# KiCad board PCB_Neopixel_rigid.kicad_pcb (continued)
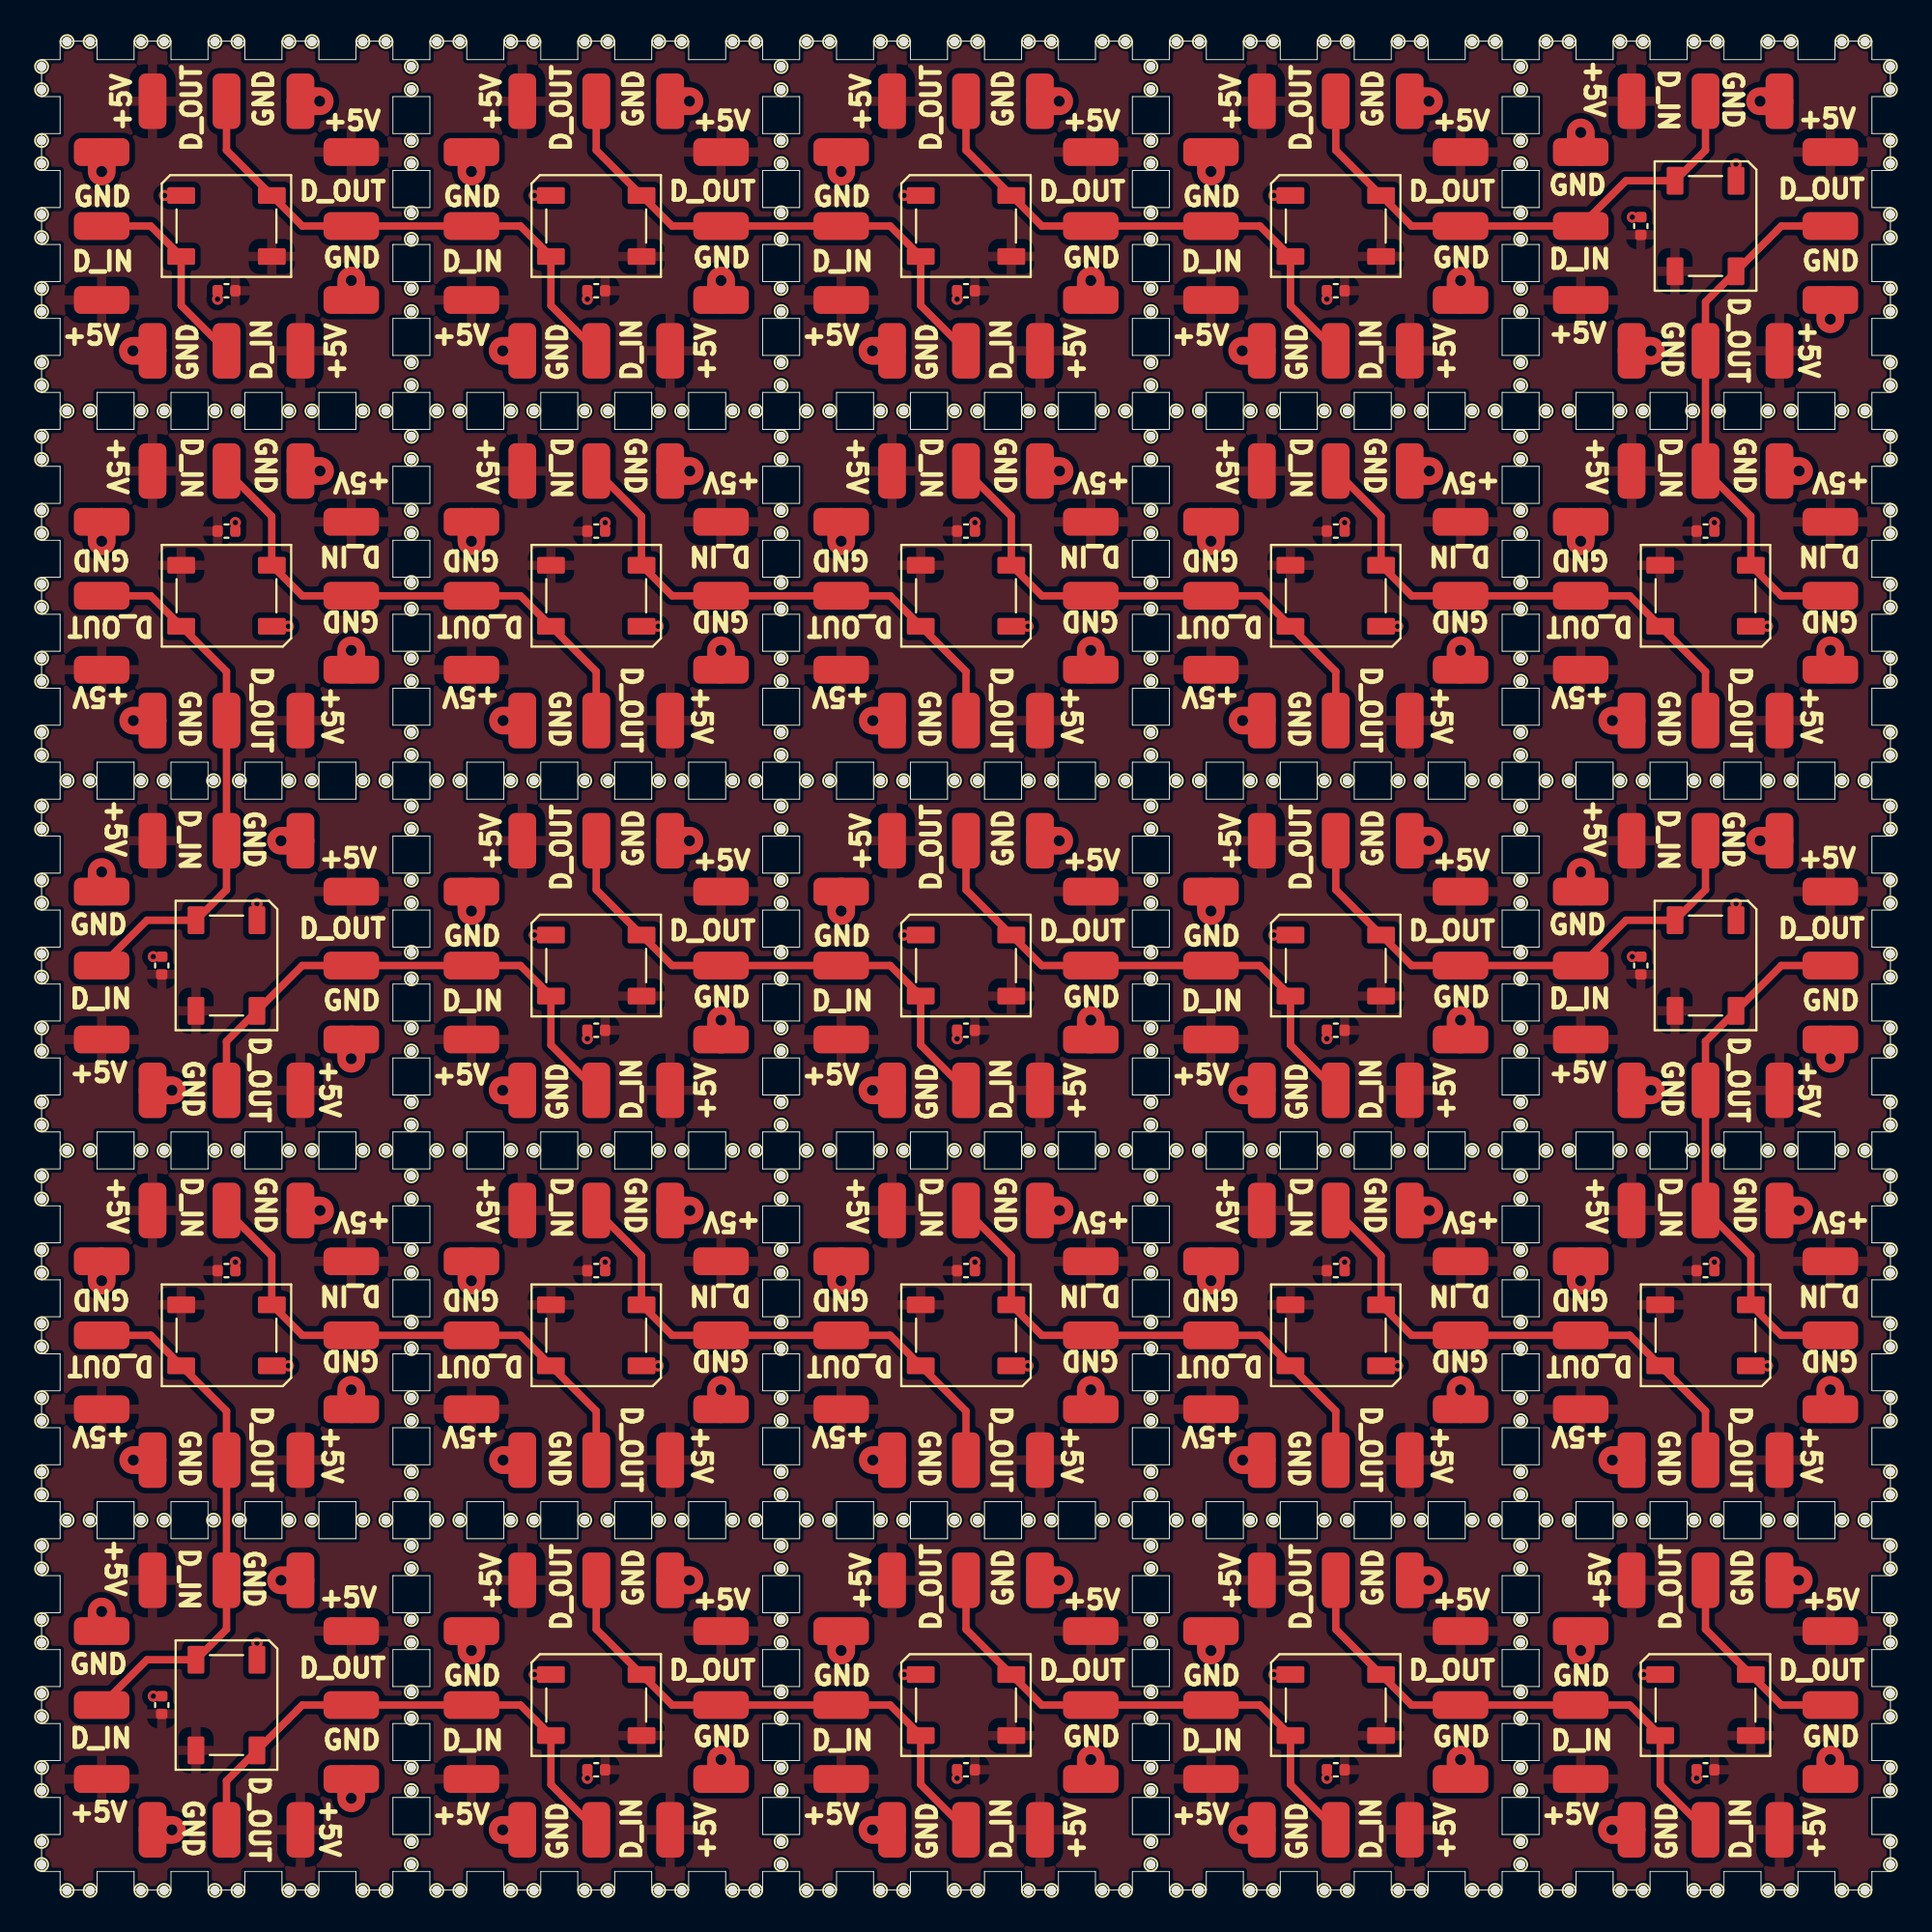
[diagram p0: board, top side]
## Footprints (pads in the part's own frame, mm; a bottom-side part is the same pattern mirrored in y, then rotated) (continued)
LED_WS2812B_PLCC4_5.0x5.0mm_P3.2mm
  rrect 1.5x0.9 smd: 1(-2.45,1.65) 2(-2.45,-1.65) 3(2.45,-1.65) 4(2.45,1.65)
NPTH_0.5
  round 0.5 hole 0.5 unplated: (0,0)
SolderWirePad_1x01_SMD_1.5x3mm
  rrect 1.5x3 smd: 1(0,0)

## Nets
+5V: C201.1 C301.1 C401.1 C501.1 C601.1 C701.1 C801.1 C901.1 C1001.1 C1101.1 C1201.1 C1301.1 C1401.1 C1501.1 C1601.1 C1701.1 C1801.1 C1901.1 C2001.1 C2101.1 C2201.1 C2301.1 C2401.1 C2501.1 C2601.1 D201.1 D301.1 D401.1 D501.1 D601.1 D701.1 D801.1 D901.1 D1001.1 D1101.1 D1201.1 D1301.1 D1401.1 D1501.1 D1601.1 D1701.1 D1801.1 D1901.1 D2001.1 D2101.1 D2201.1 D2301.1 D2401.1 D2501.1 D2601.1 J201.1 J203.1 J205.1 J207.1 J301.1 J303.1 J305.1 J307.1 J401.1 J403.1 J405.1 J407.1 J501.1 J503.1 J505.1 J507.1 J601.1 J603.1 J605.1 J607.1 J701.1 J703.1 J705.1 J707.1 J801.1 J803.1 J805.1 J807.1 J901.1 J903.1 J905.1 J907.1 J1001.1 J1003.1 J1005.1 J1007.1 J1101.1 J1103.1 J1105.1 J1107.1 J1201.1 J1203.1 J1205.1 J1207.1 J1301.1 J1303.1 J1305.1 J1307.1 J1401.1 J1403.1 J1405.1 J1407.1 J1501.1 J1503.1 J1505.1 J1507.1 J1601.1 J1603.1 J1605.1 J1607.1 J1701.1 J1703.1 J1705.1 J1707.1 J1801.1 J1803.1 J1805.1 J1807.1 J1901.1 J1903.1 J1905.1 J1907.1 J2001.1 J2003.1 J2005.1 J2007.1 J2101.1 J2103.1 J2105.1 J2107.1 J2201.1 J2203.1 J2205.1 J2207.1 J2301.1 J2303.1 J2305.1 J2307.1 J2401.1 J2403.1 J2405.1 J2407.1 J2501.1 J2503.1 J2505.1 J2507.1 J2601.1 J2603.1 J2605.1 J2607.1
GND: C201.2 C301.2 C401.2 C501.2 C601.2 C701.2 C801.2 C901.2 C1001.2 C1101.2 C1201.2 C1301.2 C1401.2 C1501.2 C1601.2 C1701.2 C1801.2 C1901.2 C2001.2 C2101.2 C2201.2 C2301.2 C2401.2 C2501.2 C2601.2 D201.3 D301.3 D401.3 D501.3 D601.3 D701.3 D801.3 D901.3 D1001.3 D1101.3 D1201.3 D1301.3 D1401.3 D1501.3 D1601.3 D1701.3 D1801.3 D1901.3 D2001.3 D2101.3 D2201.3 D2301.3 D2401.3 D2501.3 D2601.3 J202.1 J204.1 J206.1 J208.1 J302.1 J304.1 J306.1 J308.1 J402.1 J404.1 J406.1 J408.1 J502.1 J504.1 J506.1 J508.1 J602.1 J604.1 J606.1 J608.1 J702.1 J704.1 J706.1 J708.1 J802.1 J804.1 J806.1 J808.1 J902.1 J904.1 J906.1 J908.1 J1002.1 J1004.1 J1006.1 J1008.1 J1102.1 J1104.1 J1106.1 J1108.1 J1202.1 J1204.1 J1206.1 J1208.1 J1302.1 J1304.1 J1306.1 J1308.1 J1402.1 J1404.1 J1406.1 J1408.1 J1502.1 J1504.1 J1506.1 J1508.1 J1602.1 J1604.1 J1606.1 J1608.1 J1702.1 J1704.1 J1706.1 J1708.1 J1802.1 J1804.1 J1806.1 J1808.1 J1902.1 J1904.1 J1906.1 J1908.1 J2002.1 J2004.1 J2006.1 J2008.1 J2102.1 J2104.1 J2106.1 J2108.1 J2202.1 J2204.1 J2206.1 J2208.1 J2302.1 J2304.1 J2306.1 J2308.1 J2402.1 J2404.1 J2406.1 J2408.1 J2502.1 J2504.1 J2506.1 J2508.1 J2602.1 J2604.1 J2606.1 J2608.1
/Segment/DI: D201.4 J209.1 J210.1
DO1: D201.2 D301.4 J211.1 J212.1 J309.1 J310.1
DO2: D301.2 D401.4 J311.1 J312.1 J409.1 J410.1
DO3: D401.2 D501.4 J411.1 J412.1 J509.1 J510.1
DO4: D501.2 D601.4 J511.1 J512.1 J609.1 J610.1
DO5: D601.2 D701.4 J611.1 J612.1 J709.1 J710.1
DO6: D701.2 D801.4 J711.1 J712.1 J809.1 J810.1
DO7: D801.2 D901.4 J811.1 J812.1 J909.1 J910.1
DO8: D901.2 D1001.4 J911.1 J912.1 J1009.1 J1010.1
DO9: D1001.2 D1101.4 J1011.1 J1012.1 J1109.1 J1110.1
DO10: D1101.2 D1201.4 J1111.1 J1112.1 J1209.1 J1210.1
DO11: D1201.2 D1301.4 J1211.1 J1212.1 J1309.1 J1310.1
DO12: D1301.2 D1401.4 J1311.1 J1312.1 J1409.1 J1410.1
DO13: D1401.2 D1501.4 J1411.1 J1412.1 J1509.1 J1510.1
DO14: D1501.2 D1601.4 J1511.1 J1512.1 J1609.1 J1610.1
DO15: D1601.2 D1701.4 J1611.1 J1612.1 J1709.1 J1710.1
DO16: D1701.2 D1801.4 J1711.1 J1712.1 J1809.1 J1810.1
DO17: D1801.2 D1901.4 J1811.1 J1812.1 J1909.1 J1910.1
DO18: D1901.2 D2001.4 J1911.1 J1912.1 J2009.1 J2010.1
DO19: D2001.2 D2101.4 J2011.1 J2012.1 J2109.1 J2110.1
DO20: D2101.2 D2201.4 J2111.1 J2112.1 J2209.1 J2210.1
DO21: D2201.2 D2301.4 J2211.1 J2212.1 J2309.1 J2310.1
DO22: D2301.2 D2401.4 J2311.1 J2312.1 J2409.1 J2410.1
DO23: D2401.2 D2501.4 J2411.1 J2412.1 J2509.1 J2510.1
DO24: D2501.2 D2601.4 J2511.1 J2512.1 J2609.1 J2610.1
DO25: D2601.2 J2611.1 J2612.1

## Via types
v1: diameter 0.6, hole 0.3, Top to Bottom, 50 vias
v2: diameter 0.9, hole 0.6, Top to Bottom, 100 vias

## Routing (per net, layer and track width the routed paths; a pad name or vN(x,y) marks a point on that pad's centre or on a via; arc(x,y) is an arc through that point)
GND: length 139
  Top w0.2: C2101.2 v1(10.48,33.96) ; C1801.2 v1(70.48,33.96) ; C701.2 v1(90.48,73.96) ; C1501.2 v1(69.52,46.04) ; C401.2 v1(49.52,86.04) ; C1401.2 v1(49.52,46.04) ; C801.2 v1(70.48,73.96) ; C601.2 v1(86.04,90.48) ; C901.2 v1(50.48,73.96) ; C2201.2 v1(6.04,10.48) ; C1901.2 v1(50.48,33.96) ; C1301.2 v1(29.52,46.04) ; C2301.2 v1(29.52,6.04) ; C1001.2 v1(30.48,73.96) ; C201.2 v1(9.52,86.04) ; C301.2 v1(29.52,86.04) ; C2601.2 v1(89.52,6.04) ; C1701.2 v1(90.48,33.96) ; C1101.2 v1(10.48,73.96) ; C501.2 v1(69.52,86.04) ; C2401.2 v1(49.52,6.04) ; C2001.2 v1(30.48,33.96) ; C1201.2 v1(6.04,50.48) ; C2501.2 v1(69.52,6.04) ; C1601.2 v1(86.04,50.48)
  Top w0.5: D601.3 v1(91.65,93.35) ; D1701.3 v1(93.35,28.35) ; D501.3 v1(66.65,91.65) ; D901.3 v1(53.35,68.35) ; D701.3 v1(93.35,68.35) ; D1201.3 v1(11.65,53.35) ; D1301.3 v1(26.65,51.65) ; D1601.3 v1(91.65,53.35) ; D301.3 v1(26.65,91.65) ; D1001.3 v1(33.35,68.35) ; D2601.3 v1(86.65,11.65) ; D2501.3 v1(66.65,11.65) ; D2001.3 v1(33.35,28.35) ; D2301.3 v1(26.65,11.65) ; D1901.3 v1(53.35,28.35) ; D1101.3 v1(13.35,68.35) ; D1501.3 v1(66.65,51.65) ; D401.3 v1(46.65,91.65) ; D2101.3 v1(13.35,28.35) ; D1801.3 v1(73.35,28.35) ; D2201.3 v1(11.65,13.35) ; D201.3 v1(6.65,91.65) ; D2401.3 v1(46.65,11.65) ; D801.3 v1(73.35,68.35) ; D1401.3 v1(46.65,51.65)
  Top w1.5: J206.1 v2(16.75,87.05) ; J704.1 v2(95.06,76.75) ; J2508.1 v2(75.04,16.75) ; J1408.1 v2(55.04,56.75) ; J1402.1 v2(43.25,52.95) ; J2106.1 v2(3.25,32.95) ; J2102.1 v2(16.75,27.05) ; J1906.1 v2(43.25,32.95) ; J604.1 v2(83.25,95.06) ; J808.1 v2(64.96,63.25) ; J1102.1 v2(16.75,67.05) ; J408.1 v2(55.04,96.75) ; J2006.1 v2(23.25,32.95) ; J504.1 v2(64.94,83.25) ; J2206.1 v2(7.05,3.25) ; J1608.1 v2(96.75,44.96) ; J502.1 v2(63.25,92.95) ; J2604.1 v2(84.94,3.25) ; J702.1 v2(96.75,67.05) ; J204.1 v2(4.94,83.25) ; J304.1 v2(24.94,83.25) ; J1204.1 v2(3.25,55.06) ; J1002.1 v2(36.75,67.05) ; J1506.1 v2(76.75,47.05) ; J1106.1 v2(3.25,72.95) ; J1308.1 v2(35.04,56.75) ; J202.1 v2(3.25,92.95) ; J308.1 v2(35.04,96.75) ; J2502.1 v2(63.25,12.95) ; J1108.1 v2(4.96,63.25) ; J908.1 v2(44.96,63.25) ; J1804.1 v2(75.06,36.75) ; J802.1 v2(76.75,67.05) ; J2606.1 v2(96.75,7.05) ; J1208.1 v2(16.75,44.96) ; J708.1 v2(84.96,63.25) ; J1802.1 v2(76.75,27.05) ; J2104.1 v2(15.06,36.75) ; J2506.1 v2(76.75,7.05) ; J2408.1 v2(55.04,16.75) ; J508.1 v2(75.04,96.75) ; J1206.1 v2(7.05,43.25) ; J506.1 v2(76.75,87.05) ; J2004.1 v2(35.06,36.75) ; J804.1 v2(75.06,76.75) ; J1004.1 v2(35.06,76.75) ; J406.1 v2(56.75,87.05) ; J1306.1 v2(36.75,47.05) ; J1606.1 v2(87.05,43.25) ; J1704.1 v2(95.06,36.75) ; J608.1 v2(96.75,84.96) ; J1604.1 v2(83.25,55.06) ; J806.1 v2(63.25,72.95) ; J402.1 v2(43.25,92.95) ; J1304.1 v2(24.94,43.25) ; J1702.1 v2(96.75,27.05) ; J602.1 v2(92.95,96.75) ; J2002.1 v2(36.75,27.05) ; J2008.1 v2(24.96,23.25) ; J2302.1 v2(23.25,12.95) ; J2504.1 v2(64.94,3.25) ; J1902.1 v2(56.75,27.05) ; J1504.1 v2(64.94,43.25) ; J904.1 v2(55.06,76.75) ; J1904.1 v2(55.06,36.75) ; J2108.1 v2(4.96,23.25) ; J1808.1 v2(64.96,23.25) ; J902.1 v2(56.75,67.05) ; J2402.1 v2(43.25,12.95) ; J1302.1 v2(23.25,52.95) ; J1708.1 v2(84.96,23.25) ; J2308.1 v2(35.04,16.75) ; J2406.1 v2(56.75,7.05) ; J306.1 v2(36.75,87.05) ; J404.1 v2(44.94,83.25) ; J1706.1 v2(83.25,32.95) ; J1104.1 v2(15.06,76.75) ; J1006.1 v2(23.25,72.95) ; J1908.1 v2(44.96,23.25) ; J2304.1 v2(24.94,3.25) ; J1502.1 v2(63.25,52.95) ; J1008.1 v2(24.96,63.25) ; J2602.1 v2(83.25,12.95) ; J2306.1 v2(36.75,7.05) ; J1202.1 v2(12.95,56.75) ; J2202.1 v2(12.95,16.75) ; J606.1 v2(87.05,83.25) ; J2208.1 v2(16.75,4.96) ; J2204.1 v2(3.25,15.06) ; J208.1 v2(15.04,96.75) ; J906.1 v2(43.25,72.95) ; J1806.1 v2(63.25,32.95) ; J1508.1 v2(75.04,56.75) ; J706.1 v2(83.25,72.95) ; J1404.1 v2(44.94,43.25) ; J1602.1 v2(92.95,56.75) ; J302.1 v2(23.25,92.95) ; J2404.1 v2(44.94,3.25) ; J1406.1 v2(56.75,47.05) ; J2608.1 v2(95.04,16.75)
/Segment/DI: length 11.1
  Top w0.4: J210.1 5.9,90 D201.4 7.55,85.7 J209.1
DO1: length 28.7
  Top w0.4: J309.1 27.55,85.7 D301.4 25.9,90 J310.1 J211.1 14.1,90 D201.2 10,94.1 J212.1
DO2: length 28.7
  Top w0.4: J312.1 30,94.1 D301.2 34.1,90 J311.1 J410.1 45.9,90 D401.4 47.55,85.7 J409.1
DO3: length 28.7
  Top w0.4: J509.1 67.55,85.7 D501.4 65.9,90 J510.1 J411.1 54.1,90 D401.2 50,94.1 J412.1
DO4: length 28.7
  Top w0.4: J610.1 90,94.1 D601.4 85.7,92.45 J609.1 J511.1 74.1,90 D501.2 70,94.1 J512.1
DO5: length 28.7
  Top w0.4: J612.1 94.1,90 D601.2 90,85.9 J611.1 J709.1 92.45,74.3 D701.4 94.1,70 J710.1
DO6: length 28.7
  Top w0.4: J809.1 72.45,74.3 D801.4 74.1,70 J810.1 J711.1 85.9,70 D701.2 90,65.9 J712.1
DO7: length 28.7
  Top w0.4: J909.1 52.45,74.3 D901.4 54.1,70 J910.1 J811.1 65.9,70 D801.2 70,65.9 J812.1
DO8: length 28.7
  Top w0.4: J1009.1 32.45,74.3 D1001.4 34.1,70 J1010.1 J911.1 45.9,70 D901.2 50,65.9 J912.1
DO9: length 28.7
  Top w0.4: J1012.1 30,65.9 D1001.2 25.9,70 J1011.1 J1110.1 14.1,70 D1101.4 12.45,74.3 J1109.1
DO10: length 28.7
  Top w0.4: J1111.1 5.9,70 D1101.2 10,65.9 J1112.1 J1210.1 10,54.1 D1201.4 5.7,52.45 J1209.1
DO11: length 28.7
  Top w0.4: J1309.1 27.55,45.7 D1301.4 25.9,50 J1310.1 J1212.1 14.1,50 D1201.2 10,45.9 J1211.1
DO12: length 28.7
  Top w0.4: J1409.1 47.55,45.7 D1401.4 45.9,50 J1410.1 J1311.1 34.1,50 D1301.2 30,54.1 J1312.1
DO13: length 28.7
  Top w0.4: J1412.1 50,54.1 D1401.2 54.1,50 J1411.1 J1510.1 65.9,50 D1501.4 67.55,45.7 J1509.1
DO14: length 28.7
  Top w0.4: J1610.1 90,54.1 D1601.4 85.7,52.45 J1609.1 J1511.1 74.1,50 D1501.2 70,54.1 J1512.1
DO15: length 28.7
  Top w0.4: J1612.1 94.1,50 D1601.2 90,45.9 J1611.1 J1709.1 92.45,34.3 D1701.4 94.1,30 J1710.1
DO16: length 28.7
  Top w0.4: J1712.1 90,25.9 D1701.2 85.9,30 J1711.1 J1810.1 74.1,30 D1801.4 72.45,34.3 J1809.1
DO17: length 28.7
  Top w0.4: J1909.1 52.45,34.3 D1901.4 54.1,30 J1910.1 J1811.1 65.9,30 D1801.2 70,25.9 J1812.1
DO18: length 28.7
  Top w0.4: J1912.1 50,25.9 D1901.2 45.9,30 J1911.1 J2010.1 34.1,30 D2001.4 32.45,34.3 J2009.1
DO19: length 28.7
  Top w0.4: J2109.1 12.45,34.3 D2101.4 14.1,30 J2110.1 J2011.1 25.9,30 D2001.2 30,25.9 J2012.1
DO20: length 28.7
  Top w0.4: J2111.1 5.9,30 D2101.2 10,25.9 J2112.1 J2210.1 10,14.1 D2201.4 5.7,12.45 J2209.1
DO21: length 28.7
  Top w0.4: J2211.1 10,5.9 D2201.2 14.1,10 J2212.1 J2310.1 25.9,10 D2301.4 27.55,5.7 J2309.1
DO22: length 28.7
  Top w0.4: J2409.1 47.55,5.7 D2401.4 45.9,10 J2410.1 J2311.1 34.1,10 D2301.2 30,14.1 J2312.1
DO23: length 28.7
  Top w0.4: J2412.1 50,14.1 D2401.2 54.1,10 J2411.1 J2510.1 65.9,10 D2501.4 67.55,5.7 J2509.1
DO24: length 28.7
  Top w0.4: J2609.1 87.55,5.7 D2601.4 85.9,10 J2610.1 J2511.1 74.1,10 D2501.2 70,14.1 J2512.1
DO25: length 11.1
  Top w0.4: J2611.1 94.1,10 D2601.2 90,14.1 J2612.1

## Copper pours and planes (outline as drawn; the poured copper is in the pictures)
+5V on Top: 20,79 19,79 19,80 17,80 17,79 15,79 15,80 13,80 13,79 11,79 11,80 9,80 9,79 7,79 7,80 5,80 5,79 3,79 3,80 1,80 1,79 0,79 0,77 1,77 1,75 0,75 0,73 1,73 1,71 0,71 0,69 1,69 1,67 0,67 0,65 1,65 1,63 0,63 0,61 1,61 1,60 3,60 3,61 5,61 5,60 7,60 7,61 9,61 9,60 11,60 11,61 13,61 13,60 15,60 15,61 17,61 17,60 19,60 19,61 20,61 20,63 19,63 19,65 20,65 20,67 19,67 19,69 20,69 20,71 19,71 19,73 20,73 20,75 19,75 19,77 20,77
+5V on Top: 80,79 79,79 79,80 77,80 77,79 75,79 75,80 73,80 73,79 71,79 71,80 69,80 69,79 67,79 67,80 65,80 65,79 63,79 63,80 61,80 61,79 60,79 60,77 61,77 61,75 60,75 60,73 61,73 61,71 60,71 60,69 61,69 61,67 60,67 60,65 61,65 61,63 60,63 60,61 61,61 61,60 63,60 63,61 65,61 65,60 67,60 67,61 69,61 69,60 71,60 71,61 73,61 73,60 75,60 75,61 77,61 77,60 79,60 79,61 80,61 80,63 79,63 79,65 80,65 80,67 79,67 79,69 80,69 80,71 79,71 79,73 80,73 80,75 79,75 79,77 80,77
+5V on Top: 60,39 59,39 59,40 57,40 57,39 55,39 55,40 53,40 53,39 51,39 51,40 49,40 49,39 47,39 47,40 45,40 45,39 43,39 43,40 41,40 41,39 40,39 40,37 41,37 41,35 40,35 40,33 41,33 41,31 40,31 40,29 41,29 41,27 40,27 40,25 41,25 41,23 40,23 40,21 41,21 41,20 43,20 43,21 45,21 45,20 47,20 47,21 49,21 49,20 51,20 51,21 53,21 53,20 55,20 55,21 57,21 57,20 59,20 59,21 60,21 60,23 59,23 59,25 60,25 60,27 59,27 59,29 60,29 60,31 59,31 59,33 60,33 60,35 59,35 59,37 60,37
+5V on Top: 40,79 39,79 39,80 37,80 37,79 35,79 35,80 33,80 33,79 31,79 31,80 29,80 29,79 27,79 27,80 25,80 25,79 23,79 23,80 21,80 21,79 20,79 20,77 21,77 21,75 20,75 20,73 21,73 21,71 20,71 20,69 21,69 21,67 20,67 20,65 21,65 21,63 20,63 20,61 21,61 21,60 23,60 23,61 25,61 25,60 27,60 27,61 29,61 29,60 31,60 31,61 33,61 33,60 35,60 35,61 37,61 37,60 39,60 39,61 40,61 40,63 39,63 39,65 40,65 40,67 39,67 39,69 40,69 40,71 39,71 39,73 40,73 40,75 39,75 39,77 40,77
+5V on Top: 80,99 79,99 79,100 77,100 77,99 75,99 75,100 73,100 73,99 71,99 71,100 69,100 69,99 67,99 67,100 65,100 65,99 63,99 63,100 61,100 61,99 60,99 60,97 61,97 61,95 60,95 60,93 61,93 61,91 60,91 60,89 61,89 61,87 60,87 60,85 61,85 61,83 60,83 60,81 61,81 61,80 63,80 63,81 65,81 65,80 67,80 67,81 69,81 69,80 71,80 71,81 73,81 73,80 75,80 75,81 77,81 77,80 79,80 79,81 80,81 80,83 79,83 79,85 80,85 80,87 79,87 79,89 80,89 80,91 79,91 79,93 80,93 80,95 79,95 79,97 80,97
+5V on Top: 40,59 39,59 39,60 37,60 37,59 35,59 35,60 33,60 33,59 31,59 31,60 29,60 29,59 27,59 27,60 25,60 25,59 23,59 23,60 21,60 21,59 20,59 20,57 21,57 21,55 20,55 20,53 21,53 21,51 20,51 20,49 21,49 21,47 20,47 20,45 21,45 21,43 20,43 20,41 21,41 21,40 23,40 23,41 25,41 25,40 27,40 27,41 29,41 29,40 31,40 31,41 33,41 33,40 35,40 35,41 37,41 37,40 39,40 39,41 40,41 40,43 39,43 39,45 40,45 40,47 39,47 39,49 40,49 40,51 39,51 39,53 40,53 40,55 39,55 39,57 40,57
+5V on Top: 80,39 79,39 79,40 77,40 77,39 75,39 75,40 73,40 73,39 71,39 71,40 69,40 69,39 67,39 67,40 65,40 65,39 63,39 63,40 61,40 61,39 60,39 60,37 61,37 61,35 60,35 60,33 61,33 61,31 60,31 60,29 61,29 61,27 60,27 60,25 61,25 61,23 60,23 60,21 61,21 61,20 63,20 63,21 65,21 65,20 67,20 67,21 69,21 69,20 71,20 71,21 73,21 73,20 75,20 75,21 77,21 77,20 79,20 79,21 80,21 80,23 79,23 79,25 80,25 80,27 79,27 79,29 80,29 80,31 79,31 79,33 80,33 80,35 79,35 79,37 80,37
+5V on Top: 20,19 19,19 19,20 17,20 17,19 15,19 15,20 13,20 13,19 11,19 11,20 9,20 9,19 7,19 7,20 5,20 5,19 3,19 3,20 1,20 1,19 0,19 0,17 1,17 1,15 0,15 0,13 1,13 1,11 0,11 0,9 1,9 1,7 0,7 0,5 1,5 1,3 0,3 0,1 1,1 1,0 3,0 3,1 5,1 5,0 7,0 7,1 9,1 9,0 11,0 11,1 13,1 13,0 15,0 15,1 17,1 17,0 19,0 19,1 20,1 20,3 19,3 19,5 20,5 20,7 19,7 19,9 20,9 20,11 19,11 19,13 20,13 20,15 19,15 19,17 20,17
+5V on Top: 20,99 19,99 19,100 17,100 17,99 15,99 15,100 13,100 13,99 11,99 11,100 9,100 9,99 7,99 7,100 5,100 5,99 3,99 3,100 1,100 1,99 0,99 0,97 1,97 1,95 0,95 0,93 1,93 1,91 0,91 0,89 1,89 1,87 0,87 0,85 1,85 1,83 0,83 0,81 1,81 1,80 3,80 3,81 5,81 5,80 7,80 7,81 9,81 9,80 11,80 11,81 13,81 13,80 15,80 15,81 17,81 17,80 19,80 19,81 20,81 20,83 19,83 19,85 20,85 20,87 19,87 19,89 20,89 20,91 19,91 19,93 20,93 20,95 19,95 19,97 20,97
+5V on Top: 60,79 59,79 59,80 57,80 57,79 55,79 55,80 53,80 53,79 51,79 51,80 49,80 49,79 47,79 47,80 45,80 45,79 43,79 43,80 41,80 41,79 40,79 40,77 41,77 41,75 40,75 40,73 41,73 41,71 40,71 40,69 41,69 41,67 40,67 40,65 41,65 41,63 40,63 40,61 41,61 41,60 43,60 43,61 45,61 45,60 47,60 47,61 49,61 49,60 51,60 51,61 53,61 53,60 55,60 55,61 57,61 57,60 59,60 59,61 60,61 60,63 59,63 59,65 60,65 60,67 59,67 59,69 60,69 60,71 59,71 59,73 60,73 60,75 59,75 59,77 60,77
+5V on Top: 100,99 99,99 99,100 97,100 97,99 95,99 95,100 93,100 93,99 91,99 91,100 89,100 89,99 87,99 87,100 85,100 85,99 83,99 83,100 81,100 81,99 80,99 80,97 81,97 81,95 80,95 80,93 81,93 81,91 80,91 80,89 81,89 81,87 80,87 80,85 81,85 81,83 80,83 80,81 81,81 81,80 83,80 83,81 85,81 85,80 87,80 87,81 89,81 89,80 91,80 91,81 93,81 93,80 95,80 95,81 97,81 97,80 99,80 99,81 100,81 100,83 99,83 99,85 100,85 100,87 99,87 99,89 100,89 100,91 99,91 99,93 100,93 100,95 99,95 99,97 100,97
+5V on Top: 40,99 39,99 39,100 37,100 37,99 35,99 35,100 33,100 33,99 31,99 31,100 29,100 29,99 27,99 27,100 25,100 25,99 23,99 23,100 21,100 21,99 20,99 20,97 21,97 21,95 20,95 20,93 21,93 21,91 20,91 20,89 21,89 21,87 20,87 20,85 21,85 21,83 20,83 20,81 21,81 21,80 23,80 23,81 25,81 25,80 27,80 27,81 29,81 29,80 31,80 31,81 33,81 33,80 35,80 35,81 37,81 37,80 39,80 39,81 40,81 40,83 39,83 39,85 40,85 40,87 39,87 39,89 40,89 40,91 39,91 39,93 40,93 40,95 39,95 39,97 40,97
+5V on Top: 40,39 39,39 39,40 37,40 37,39 35,39 35,40 33,40 33,39 31,39 31,40 29,40 29,39 27,39 27,40 25,40 25,39 23,39 23,40 21,40 21,39 20,39 20,37 21,37 21,35 20,35 20,33 21,33 21,31 20,31 20,29 21,29 21,27 20,27 20,25 21,25 21,23 20,23 20,21 21,21 21,20 23,20 23,21 25,21 25,20 27,20 27,21 29,21 29,20 31,20 31,21 33,21 33,20 35,20 35,21 37,21 37,20 39,20 39,21 40,21 40,23 39,23 39,25 40,25 40,27 39,27 39,29 40,29 40,31 39,31 39,33 40,33 40,35 39,35 39,37 40,37
+5V on Top: 20,59 19,59 19,60 17,60 17,59 15,59 15,60 13,60 13,59 11,59 11,60 9,60 9,59 7,59 7,60 5,60 5,59 3,59 3,60 1,60 1,59 0,59 0,57 1,57 1,55 0,55 0,53 1,53 1,51 0,51 0,49 1,49 1,47 0,47 0,45 1,45 1,43 0,43 0,41 1,41 1,40 3,40 3,41 5,41 5,40 7,40 7,41 9,41 9,40 11,40 11,41 13,41 13,40 15,40 15,41 17,41 17,40 19,40 19,41 20,41 20,43 19,43 19,45 20,45 20,47 19,47 19,49 20,49 20,51 19,51 19,53 20,53 20,55 19,55 19,57 20,57
+5V on Top: 100,59 99,59 99,60 97,60 97,59 95,59 95,60 93,60 93,59 91,59 91,60 89,60 89,59 87,59 87,60 85,60 85,59 83,59 83,60 81,60 81,59 80,59 80,57 81,57 81,55 80,55 80,53 81,53 81,51 80,51 80,49 81,49 81,47 80,47 80,45 81,45 81,43 80,43 80,41 81,41 81,40 83,40 83,41 85,41 85,40 87,40 87,41 89,41 89,40 91,40 91,41 93,41 93,40 95,40 95,41 97,41 97,40 99,40 99,41 100,41 100,43 99,43 99,45 100,45 100,47 99,47 99,49 100,49 100,51 99,51 99,53 100,53 100,55 99,55 99,57 100,57
+5V on Top: 80,59 79,59 79,60 77,60 77,59 75,59 75,60 73,60 73,59 71,59 71,60 69,60 69,59 67,59 67,60 65,60 65,59 63,59 63,60 61,60 61,59 60,59 60,57 61,57 61,55 60,55 60,53 61,53 61,51 60,51 60,49 61,49 61,47 60,47 60,45 61,45 61,43 60,43 60,41 61,41 61,40 63,40 63,41 65,41 65,40 67,40 67,41 69,41 69,40 71,40 71,41 73,41 73,40 75,40 75,41 77,41 77,40 79,40 79,41 80,41 80,43 79,43 79,45 80,45 80,47 79,47 79,49 80,49 80,51 79,51 79,53 80,53 80,55 79,55 79,57 80,57
+5V on Top: 60,99 59,99 59,100 57,100 57,99 55,99 55,100 53,100 53,99 51,99 51,100 49,100 49,99 47,99 47,100 45,100 45,99 43,99 43,100 41,100 41,99 40,99 40,97 41,97 41,95 40,95 40,93 41,93 41,91 40,91 40,89 41,89 41,87 40,87 40,85 41,85 41,83 40,83 40,81 41,81 41,80 43,80 43,81 45,81 45,80 47,80 47,81 49,81 49,80 51,80 51,81 53,81 53,80 55,80 55,81 57,81 57,80 59,80 59,81 60,81 60,83 59,83 59,85 60,85 60,87 59,87 59,89 60,89 60,91 59,91 59,93 60,93 60,95 59,95 59,97 60,97
+5V on Top: 100,39 99,39 99,40 97,40 97,39 95,39 95,40 93,40 93,39 91,39 91,40 89,40 89,39 87,39 87,40 85,40 85,39 83,39 83,40 81,40 81,39 80,39 80,37 81,37 81,35 80,35 80,33 81,33 81,31 80,31 80,29 81,29 81,27 80,27 80,25 81,25 81,23 80,23 80,21 81,21 81,20 83,20 83,21 85,21 85,20 87,20 87,21 89,21 89,20 91,20 91,21 93,21 93,20 95,20 95,21 97,21 97,20 99,20 99,21 100,21 100,23 99,23 99,25 100,25 100,27 99,27 99,29 100,29 100,31 99,31 99,33 100,33 100,35 99,35 99,37 100,37
+5V on Top: 80,19 79,19 79,20 77,20 77,19 75,19 75,20 73,20 73,19 71,19 71,20 69,20 69,19 67,19 67,20 65,20 65,19 63,19 63,20 61,20 61,19 60,19 60,17 61,17 61,15 60,15 60,13 61,13 61,11 60,11 60,9 61,9 61,7 60,7 60,5 61,5 61,3 60,3 60,1 61,1 61,0 63,0 63,1 65,1 65,0 67,0 67,1 69,1 69,0 71,0 71,1 73,1 73,0 75,0 75,1 77,1 77,0 79,0 79,1 80,1 80,3 79,3 79,5 80,5 80,7 79,7 79,9 80,9 80,11 79,11 79,13 80,13 80,15 79,15 79,17 80,17
+5V on Top: 60,59 59,59 59,60 57,60 57,59 55,59 55,60 53,60 53,59 51,59 51,60 49,60 49,59 47,59 47,60 45,60 45,59 43,59 43,60 41,60 41,59 40,59 40,57 41,57 41,55 40,55 40,53 41,53 41,51 40,51 40,49 41,49 41,47 40,47 40,45 41,45 41,43 40,43 40,41 41,41 41,40 43,40 43,41 45,41 45,40 47,40 47,41 49,41 49,40 51,40 51,41 53,41 53,40 55,40 55,41 57,41 57,40 59,40 59,41 60,41 60,43 59,43 59,45 60,45 60,47 59,47 59,49 60,49 60,51 59,51 59,53 60,53 60,55 59,55 59,57 60,57
+5V on Top: 100,19 99,19 99,20 97,20 97,19 95,19 95,20 93,20 93,19 91,19 91,20 89,20 89,19 87,19 87,20 85,20 85,19 83,19 83,20 81,20 81,19 80,19 80,17 81,17 81,15 80,15 80,13 81,13 81,11 80,11 80,9 81,9 81,7 80,7 80,5 81,5 81,3 80,3 80,1 81,1 81,0 83,0 83,1 85,1 85,0 87,0 87,1 89,1 89,0 91,0 91,1 93,1 93,0 95,0 95,1 97,1 97,0 99,0 99,1 100,1 100,3 99,3 99,5 100,5 100,7 99,7 99,9 100,9 100,11 99,11 99,13 100,13 100,15 99,15 99,17 100,17
+5V on Top: 60,19 59,19 59,20 57,20 57,19 55,19 55,20 53,20 53,19 51,19 51,20 49,20 49,19 47,19 47,20 45,20 45,19 43,19 43,20 41,20 41,19 40,19 40,17 41,17 41,15 40,15 40,13 41,13 41,11 40,11 40,9 41,9 41,7 40,7 40,5 41,5 41,3 40,3 40,1 41,1 41,0 43,0 43,1 45,1 45,0 47,0 47,1 49,1 49,0 51,0 51,1 53,1 53,0 55,0 55,1 57,1 57,0 59,0 59,1 60,1 60,3 59,3 59,5 60,5 60,7 59,7 59,9 60,9 60,11 59,11 59,13 60,13 60,15 59,15 59,17 60,17
+5V on Top: 100,79 99,79 99,80 97,80 97,79 95,79 95,80 93,80 93,79 91,79 91,80 89,80 89,79 87,79 87,80 85,80 85,79 83,79 83,80 81,80 81,79 80,79 80,77 81,77 81,75 80,75 80,73 81,73 81,71 80,71 80,69 81,69 81,67 80,67 80,65 81,65 81,63 80,63 80,61 81,61 81,60 83,60 83,61 85,61 85,60 87,60 87,61 89,61 89,60 91,60 91,61 93,61 93,60 95,60 95,61 97,61 97,60 99,60 99,61 100,61 100,63 99,63 99,65 100,65 100,67 99,67 99,69 100,69 100,71 99,71 99,73 100,73 100,75 99,75 99,77 100,77
+5V on Top: 40,19 39,19 39,20 37,20 37,19 35,19 35,20 33,20 33,19 31,19 31,20 29,20 29,19 27,19 27,20 25,20 25,19 23,19 23,20 21,20 21,19 20,19 20,17 21,17 21,15 20,15 20,13 21,13 21,11 20,11 20,9 21,9 21,7 20,7 20,5 21,5 21,3 20,3 20,1 21,1 21,0 23,0 23,1 25,1 25,0 27,0 27,1 29,1 29,0 31,0 31,1 33,1 33,0 35,0 35,1 37,1 37,0 39,0 39,1 40,1 40,3 39,3 39,5 40,5 40,7 39,7 39,9 40,9 40,11 39,11 39,13 40,13 40,15 39,15 39,17 40,17
+5V on Top: 20,39 19,39 19,40 17,40 17,39 15,39 15,40 13,40 13,39 11,39 11,40 9,40 9,39 7,39 7,40 5,40 5,39 3,39 3,40 1,40 1,39 0,39 0,37 1,37 1,35 0,35 0,33 1,33 1,31 0,31 0,29 1,29 1,27 0,27 0,25 1,25 1,23 0,23 0,21 1,21 1,20 3,20 3,21 5,21 5,20 7,20 7,21 9,21 9,20 11,20 11,21 13,21 13,20 15,20 15,21 17,21 17,20 19,20 19,21 20,21 20,23 19,23 19,25 20,25 20,27 19,27 19,29 20,29 20,31 19,31 19,33 20,33 20,35 19,35 19,37 20,37
GND on Bottom: 20,19 19,19 19,20 17,20 17,19 15,19 15,20 13,20 13,19 11,19 11,20 9,20 9,19 7,19 7,20 5,20 5,19 3,19 3,20 1,20 1,19 0,19 0,17 1,17 1,15 0,15 0,13 1,13 1,11 0,11 0,9 1,9 1,7 0,7 0,5 1,5 1,3 0,3 0,1 1,1 1,0 3,0 3,1 5,1 5,0 7,0 7,1 9,1 9,0 11,0 11,1 13,1 13,0 15,0 15,1 17,1 17,0 19,0 19,1 20,1 20,3 19,3 19,5 20,5 20,7 19,7 19,9 20,9 20,11 19,11 19,13 20,13 20,15 19,15 19,17 20,17
GND on Bottom: 20,39 19,39 19,40 17,40 17,39 15,39 15,40 13,40 13,39 11,39 11,40 9,40 9,39 7,39 7,40 5,40 5,39 3,39 3,40 1,40 1,39 0,39 0,37 1,37 1,35 0,35 0,33 1,33 1,31 0,31 0,29 1,29 1,27 0,27 0,25 1,25 1,23 0,23 0,21 1,21 1,20 3,20 3,21 5,21 5,20 7,20 7,21 9,21 9,20 11,20 11,21 13,21 13,20 15,20 15,21 17,21 17,20 19,20 19,21 20,21 20,23 19,23 19,25 20,25 20,27 19,27 19,29 20,29 20,31 19,31 19,33 20,33 20,35 19,35 19,37 20,37
GND on Bottom: 80,59 79,59 79,60 77,60 77,59 75,59 75,60 73,60 73,59 71,59 71,60 69,60 69,59 67,59 67,60 65,60 65,59 63,59 63,60 61,60 61,59 60,59 60,57 61,57 61,55 60,55 60,53 61,53 61,51 60,51 60,49 61,49 61,47 60,47 60,45 61,45 61,43 60,43 60,41 61,41 61,40 63,40 63,41 65,41 65,40 67,40 67,41 69,41 69,40 71,40 71,41 73,41 73,40 75,40 75,41 77,41 77,40 79,40 79,41 80,41 80,43 79,43 79,45 80,45 80,47 79,47 79,49 80,49 80,51 79,51 79,53 80,53 80,55 79,55 79,57 80,57
GND on Bottom: 40,99 39,99 39,100 37,100 37,99 35,99 35,100 33,100 33,99 31,99 31,100 29,100 29,99 27,99 27,100 25,100 25,99 23,99 23,100 21,100 21,99 20,99 20,97 21,97 21,95 20,95 20,93 21,93 21,91 20,91 20,89 21,89 21,87 20,87 20,85 21,85 21,83 20,83 20,81 21,81 21,80 23,80 23,81 25,81 25,80 27,80 27,81 29,81 29,80 31,80 31,81 33,81 33,80 35,80 35,81 37,81 37,80 39,80 39,81 40,81 40,83 39,83 39,85 40,85 40,87 39,87 39,89 40,89 40,91 39,91 39,93 40,93 40,95 39,95 39,97 40,97
GND on Bottom: 40,79 39,79 39,80 37,80 37,79 35,79 35,80 33,80 33,79 31,79 31,80 29,80 29,79 27,79 27,80 25,80 25,79 23,79 23,80 21,80 21,79 20,79 20,77 21,77 21,75 20,75 20,73 21,73 21,71 20,71 20,69 21,69 21,67 20,67 20,65 21,65 21,63 20,63 20,61 21,61 21,60 23,60 23,61 25,61 25,60 27,60 27,61 29,61 29,60 31,60 31,61 33,61 33,60 35,60 35,61 37,61 37,60 39,60 39,61 40,61 40,63 39,63 39,65 40,65 40,67 39,67 39,69 40,69 40,71 39,71 39,73 40,73 40,75 39,75 39,77 40,77
GND on Bottom: 20,99 19,99 19,100 17,100 17,99 15,99 15,100 13,100 13,99 11,99 11,100 9,100 9,99 7,99 7,100 5,100 5,99 3,99 3,100 1,100 1,99 0,99 0,97 1,97 1,95 0,95 0,93 1,93 1,91 0,91 0,89 1,89 1,87 0,87 0,85 1,85 1,83 0,83 0,81 1,81 1,80 3,80 3,81 5,81 5,80 7,80 7,81 9,81 9,80 11,80 11,81 13,81 13,80 15,80 15,81 17,81 17,80 19,80 19,81 20,81 20,83 19,83 19,85 20,85 20,87 19,87 19,89 20,89 20,91 19,91 19,93 20,93 20,95 19,95 19,97 20,97
GND on Bottom: 100,59 99,59 99,60 97,60 97,59 95,59 95,60 93,60 93,59 91,59 91,60 89,60 89,59 87,59 87,60 85,60 85,59 83,59 83,60 81,60 81,59 80,59 80,57 81,57 81,55 80,55 80,53 81,53 81,51 80,51 80,49 81,49 81,47 80,47 80,45 81,45 81,43 80,43 80,41 81,41 81,40 83,40 83,41 85,41 85,40 87,40 87,41 89,41 89,40 91,40 91,41 93,41 93,40 95,40 95,41 97,41 97,40 99,40 99,41 100,41 100,43 99,43 99,45 100,45 100,47 99,47 99,49 100,49 100,51 99,51 99,53 100,53 100,55 99,55 99,57 100,57
GND on Bottom: 60,99 59,99 59,100 57,100 57,99 55,99 55,100 53,100 53,99 51,99 51,100 49,100 49,99 47,99 47,100 45,100 45,99 43,99 43,100 41,100 41,99 40,99 40,97 41,97 41,95 40,95 40,93 41,93 41,91 40,91 40,89 41,89 41,87 40,87 40,85 41,85 41,83 40,83 40,81 41,81 41,80 43,80 43,81 45,81 45,80 47,80 47,81 49,81 49,80 51,80 51,81 53,81 53,80 55,80 55,81 57,81 57,80 59,80 59,81 60,81 60,83 59,83 59,85 60,85 60,87 59,87 59,89 60,89 60,91 59,91 59,93 60,93 60,95 59,95 59,97 60,97
GND on Bottom: 40,19 39,19 39,20 37,20 37,19 35,19 35,20 33,20 33,19 31,19 31,20 29,20 29,19 27,19 27,20 25,20 25,19 23,19 23,20 21,20 21,19 20,19 20,17 21,17 21,15 20,15 20,13 21,13 21,11 20,11 20,9 21,9 21,7 20,7 20,5 21,5 21,3 20,3 20,1 21,1 21,0 23,0 23,1 25,1 25,0 27,0 27,1 29,1 29,0 31,0 31,1 33,1 33,0 35,0 35,1 37,1 37,0 39,0 39,1 40,1 40,3 39,3 39,5 40,5 40,7 39,7 39,9 40,9 40,11 39,11 39,13 40,13 40,15 39,15 39,17 40,17
GND on Bottom: 60,59 59,59 59,60 57,60 57,59 55,59 55,60 53,60 53,59 51,59 51,60 49,60 49,59 47,59 47,60 45,60 45,59 43,59 43,60 41,60 41,59 40,59 40,57 41,57 41,55 40,55 40,53 41,53 41,51 40,51 40,49 41,49 41,47 40,47 40,45 41,45 41,43 40,43 40,41 41,41 41,40 43,40 43,41 45,41 45,40 47,40 47,41 49,41 49,40 51,40 51,41 53,41 53,40 55,40 55,41 57,41 57,40 59,40 59,41 60,41 60,43 59,43 59,45 60,45 60,47 59,47 59,49 60,49 60,51 59,51 59,53 60,53 60,55 59,55 59,57 60,57
GND on Bottom: 80,99 79,99 79,100 77,100 77,99 75,99 75,100 73,100 73,99 71,99 71,100 69,100 69,99 67,99 67,100 65,100 65,99 63,99 63,100 61,100 61,99 60,99 60,97 61,97 61,95 60,95 60,93 61,93 61,91 60,91 60,89 61,89 61,87 60,87 60,85 61,85 61,83 60,83 60,81 61,81 61,80 63,80 63,81 65,81 65,80 67,80 67,81 69,81 69,80 71,80 71,81 73,81 73,80 75,80 75,81 77,81 77,80 79,80 79,81 80,81 80,83 79,83 79,85 80,85 80,87 79,87 79,89 80,89 80,91 79,91 79,93 80,93 80,95 79,95 79,97 80,97
GND on Bottom: 100,19 99,19 99,20 97,20 97,19 95,19 95,20 93,20 93,19 91,19 91,20 89,20 89,19 87,19 87,20 85,20 85,19 83,19 83,20 81,20 81,19 80,19 80,17 81,17 81,15 80,15 80,13 81,13 81,11 80,11 80,9 81,9 81,7 80,7 80,5 81,5 81,3 80,3 80,1 81,1 81,0 83,0 83,1 85,1 85,0 87,0 87,1 89,1 89,0 91,0 91,1 93,1 93,0 95,0 95,1 97,1 97,0 99,0 99,1 100,1 100,3 99,3 99,5 100,5 100,7 99,7 99,9 100,9 100,11 99,11 99,13 100,13 100,15 99,15 99,17 100,17
GND on Bottom: 100,39 99,39 99,40 97,40 97,39 95,39 95,40 93,40 93,39 91,39 91,40 89,40 89,39 87,39 87,40 85,40 85,39 83,39 83,40 81,40 81,39 80,39 80,37 81,37 81,35 80,35 80,33 81,33 81,31 80,31 80,29 81,29 81,27 80,27 80,25 81,25 81,23 80,23 80,21 81,21 81,20 83,20 83,21 85,21 85,20 87,20 87,21 89,21 89,20 91,20 91,21 93,21 93,20 95,20 95,21 97,21 97,20 99,20 99,21 100,21 100,23 99,23 99,25 100,25 100,27 99,27 99,29 100,29 100,31 99,31 99,33 100,33 100,35 99,35 99,37 100,37
GND on Bottom: 100,99 99,99 99,100 97,100 97,99 95,99 95,100 93,100 93,99 91,99 91,100 89,100 89,99 87,99 87,100 85,100 85,99 83,99 83,100 81,100 81,99 80,99 80,97 81,97 81,95 80,95 80,93 81,93 81,91 80,91 80,89 81,89 81,87 80,87 80,85 81,85 81,83 80,83 80,81 81,81 81,80 83,80 83,81 85,81 85,80 87,80 87,81 89,81 89,80 91,80 91,81 93,81 93,80 95,80 95,81 97,81 97,80 99,80 99,81 100,81 100,83 99,83 99,85 100,85 100,87 99,87 99,89 100,89 100,91 99,91 99,93 100,93 100,95 99,95 99,97 100,97
GND on Bottom: 80,39 79,39 79,40 77,40 77,39 75,39 75,40 73,40 73,39 71,39 71,40 69,40 69,39 67,39 67,40 65,40 65,39 63,39 63,40 61,40 61,39 60,39 60,37 61,37 61,35 60,35 60,33 61,33 61,31 60,31 60,29 61,29 61,27 60,27 60,25 61,25 61,23 60,23 60,21 61,21 61,20 63,20 63,21 65,21 65,20 67,20 67,21 69,21 69,20 71,20 71,21 73,21 73,20 75,20 75,21 77,21 77,20 79,20 79,21 80,21 80,23 79,23 79,25 80,25 80,27 79,27 79,29 80,29 80,31 79,31 79,33 80,33 80,35 79,35 79,37 80,37
GND on Bottom: 40,39 39,39 39,40 37,40 37,39 35,39 35,40 33,40 33,39 31,39 31,40 29,40 29,39 27,39 27,40 25,40 25,39 23,39 23,40 21,40 21,39 20,39 20,37 21,37 21,35 20,35 20,33 21,33 21,31 20,31 20,29 21,29 21,27 20,27 20,25 21,25 21,23 20,23 20,21 21,21 21,20 23,20 23,21 25,21 25,20 27,20 27,21 29,21 29,20 31,20 31,21 33,21 33,20 35,20 35,21 37,21 37,20 39,20 39,21 40,21 40,23 39,23 39,25 40,25 40,27 39,27 39,29 40,29 40,31 39,31 39,33 40,33 40,35 39,35 39,37 40,37
GND on Bottom: 80,79 79,79 79,80 77,80 77,79 75,79 75,80 73,80 73,79 71,79 71,80 69,80 69,79 67,79 67,80 65,80 65,79 63,79 63,80 61,80 61,79 60,79 60,77 61,77 61,75 60,75 60,73 61,73 61,71 60,71 60,69 61,69 61,67 60,67 60,65 61,65 61,63 60,63 60,61 61,61 61,60 63,60 63,61 65,61 65,60 67,60 67,61 69,61 69,60 71,60 71,61 73,61 73,60 75,60 75,61 77,61 77,60 79,60 79,61 80,61 80,63 79,63 79,65 80,65 80,67 79,67 79,69 80,69 80,71 79,71 79,73 80,73 80,75 79,75 79,77 80,77
GND on Bottom: 40,59 39,59 39,60 37,60 37,59 35,59 35,60 33,60 33,59 31,59 31,60 29,60 29,59 27,59 27,60 25,60 25,59 23,59 23,60 21,60 21,59 20,59 20,57 21,57 21,55 20,55 20,53 21,53 21,51 20,51 20,49 21,49 21,47 20,47 20,45 21,45 21,43 20,43 20,41 21,41 21,40 23,40 23,41 25,41 25,40 27,40 27,41 29,41 29,40 31,40 31,41 33,41 33,40 35,40 35,41 37,41 37,40 39,40 39,41 40,41 40,43 39,43 39,45 40,45 40,47 39,47 39,49 40,49 40,51 39,51 39,53 40,53 40,55 39,55 39,57 40,57
GND on Bottom: 60,19 59,19 59,20 57,20 57,19 55,19 55,20 53,20 53,19 51,19 51,20 49,20 49,19 47,19 47,20 45,20 45,19 43,19 43,20 41,20 41,19 40,19 40,17 41,17 41,15 40,15 40,13 41,13 41,11 40,11 40,9 41,9 41,7 40,7 40,5 41,5 41,3 40,3 40,1 41,1 41,0 43,0 43,1 45,1 45,0 47,0 47,1 49,1 49,0 51,0 51,1 53,1 53,0 55,0 55,1 57,1 57,0 59,0 59,1 60,1 60,3 59,3 59,5 60,5 60,7 59,7 59,9 60,9 60,11 59,11 59,13 60,13 60,15 59,15 59,17 60,17
GND on Bottom: 60,39 59,39 59,40 57,40 57,39 55,39 55,40 53,40 53,39 51,39 51,40 49,40 49,39 47,39 47,40 45,40 45,39 43,39 43,40 41,40 41,39 40,39 40,37 41,37 41,35 40,35 40,33 41,33 41,31 40,31 40,29 41,29 41,27 40,27 40,25 41,25 41,23 40,23 40,21 41,21 41,20 43,20 43,21 45,21 45,20 47,20 47,21 49,21 49,20 51,20 51,21 53,21 53,20 55,20 55,21 57,21 57,20 59,20 59,21 60,21 60,23 59,23 59,25 60,25 60,27 59,27 59,29 60,29 60,31 59,31 59,33 60,33 60,35 59,35 59,37 60,37
GND on Bottom: 60,79 59,79 59,80 57,80 57,79 55,79 55,80 53,80 53,79 51,79 51,80 49,80 49,79 47,79 47,80 45,80 45,79 43,79 43,80 41,80 41,79 40,79 40,77 41,77 41,75 40,75 40,73 41,73 41,71 40,71 40,69 41,69 41,67 40,67 40,65 41,65 41,63 40,63 40,61 41,61 41,60 43,60 43,61 45,61 45,60 47,60 47,61 49,61 49,60 51,60 51,61 53,61 53,60 55,60 55,61 57,61 57,60 59,60 59,61 60,61 60,63 59,63 59,65 60,65 60,67 59,67 59,69 60,69 60,71 59,71 59,73 60,73 60,75 59,75 59,77 60,77
GND on Bottom: 20,79 19,79 19,80 17,80 17,79 15,79 15,80 13,80 13,79 11,79 11,80 9,80 9,79 7,79 7,80 5,80 5,79 3,79 3,80 1,80 1,79 0,79 0,77 1,77 1,75 0,75 0,73 1,73 1,71 0,71 0,69 1,69 1,67 0,67 0,65 1,65 1,63 0,63 0,61 1,61 1,60 3,60 3,61 5,61 5,60 7,60 7,61 9,61 9,60 11,60 11,61 13,61 13,60 15,60 15,61 17,61 17,60 19,60 19,61 20,61 20,63 19,63 19,65 20,65 20,67 19,67 19,69 20,69 20,71 19,71 19,73 20,73 20,75 19,75 19,77 20,77
GND on Bottom: 80,19 79,19 79,20 77,20 77,19 75,19 75,20 73,20 73,19 71,19 71,20 69,20 69,19 67,19 67,20 65,20 65,19 63,19 63,20 61,20 61,19 60,19 60,17 61,17 61,15 60,15 60,13 61,13 61,11 60,11 60,9 61,9 61,7 60,7 60,5 61,5 61,3 60,3 60,1 61,1 61,0 63,0 63,1 65,1 65,0 67,0 67,1 69,1 69,0 71,0 71,1 73,1 73,0 75,0 75,1 77,1 77,0 79,0 79,1 80,1 80,3 79,3 79,5 80,5 80,7 79,7 79,9 80,9 80,11 79,11 79,13 80,13 80,15 79,15 79,17 80,17
GND on Bottom: 20,59 19,59 19,60 17,60 17,59 15,59 15,60 13,60 13,59 11,59 11,60 9,60 9,59 7,59 7,60 5,60 5,59 3,59 3,60 1,60 1,59 0,59 0,57 1,57 1,55 0,55 0,53 1,53 1,51 0,51 0,49 1,49 1,47 0,47 0,45 1,45 1,43 0,43 0,41 1,41 1,40 3,40 3,41 5,41 5,40 7,40 7,41 9,41 9,40 11,40 11,41 13,41 13,40 15,40 15,41 17,41 17,40 19,40 19,41 20,41 20,43 19,43 19,45 20,45 20,47 19,47 19,49 20,49 20,51 19,51 19,53 20,53 20,55 19,55 19,57 20,57
GND on Bottom: 100,79 99,79 99,80 97,80 97,79 95,79 95,80 93,80 93,79 91,79 91,80 89,80 89,79 87,79 87,80 85,80 85,79 83,79 83,80 81,80 81,79 80,79 80,77 81,77 81,75 80,75 80,73 81,73 81,71 80,71 80,69 81,69 81,67 80,67 80,65 81,65 81,63 80,63 80,61 81,61 81,60 83,60 83,61 85,61 85,60 87,60 87,61 89,61 89,60 91,60 91,61 93,61 93,60 95,60 95,61 97,61 97,60 99,60 99,61 100,61 100,63 99,63 99,65 100,65 100,67 99,67 99,69 100,69 100,71 99,71 99,73 100,73 100,75 99,75 99,77 100,77

## Text on the board
B.Silkscreen: VINCENT / FERNANDES
F.Silkscreen: +5V | GND | D_IN | D_OUT
